# Altium PCB TC264MCUV02.PcbDoc (part 1 of 2)
Units mil, origin at the board's own origin, x right, y up, seen from the top; angles counter-clockwise.
Board outline 4656.68 x 3665.15 mil, 2 copper layers (Top Layer, Bottom Layer); 112 components, 118 nets, 482 pads, 140 vias.
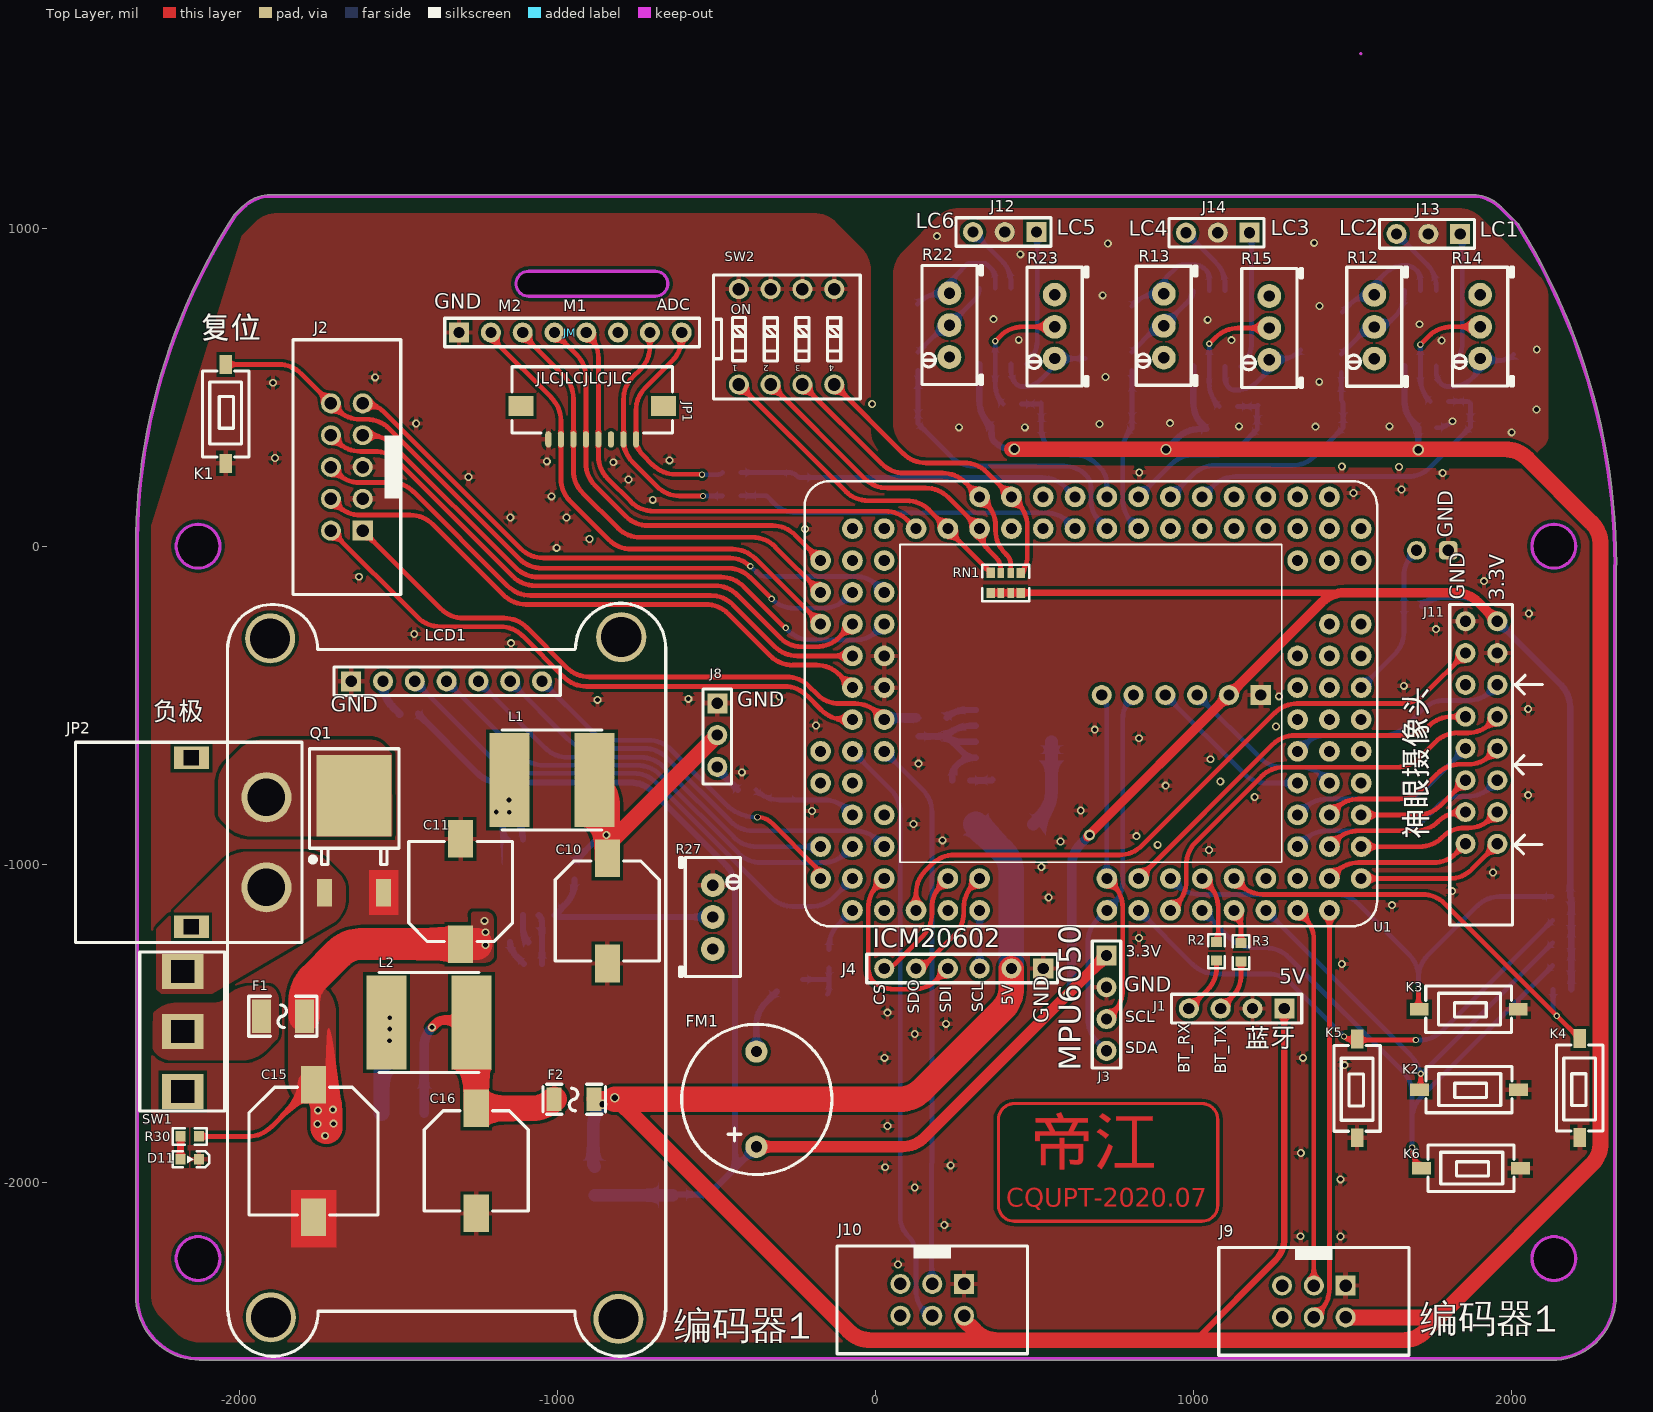
[diagram p0: Top Layer view]
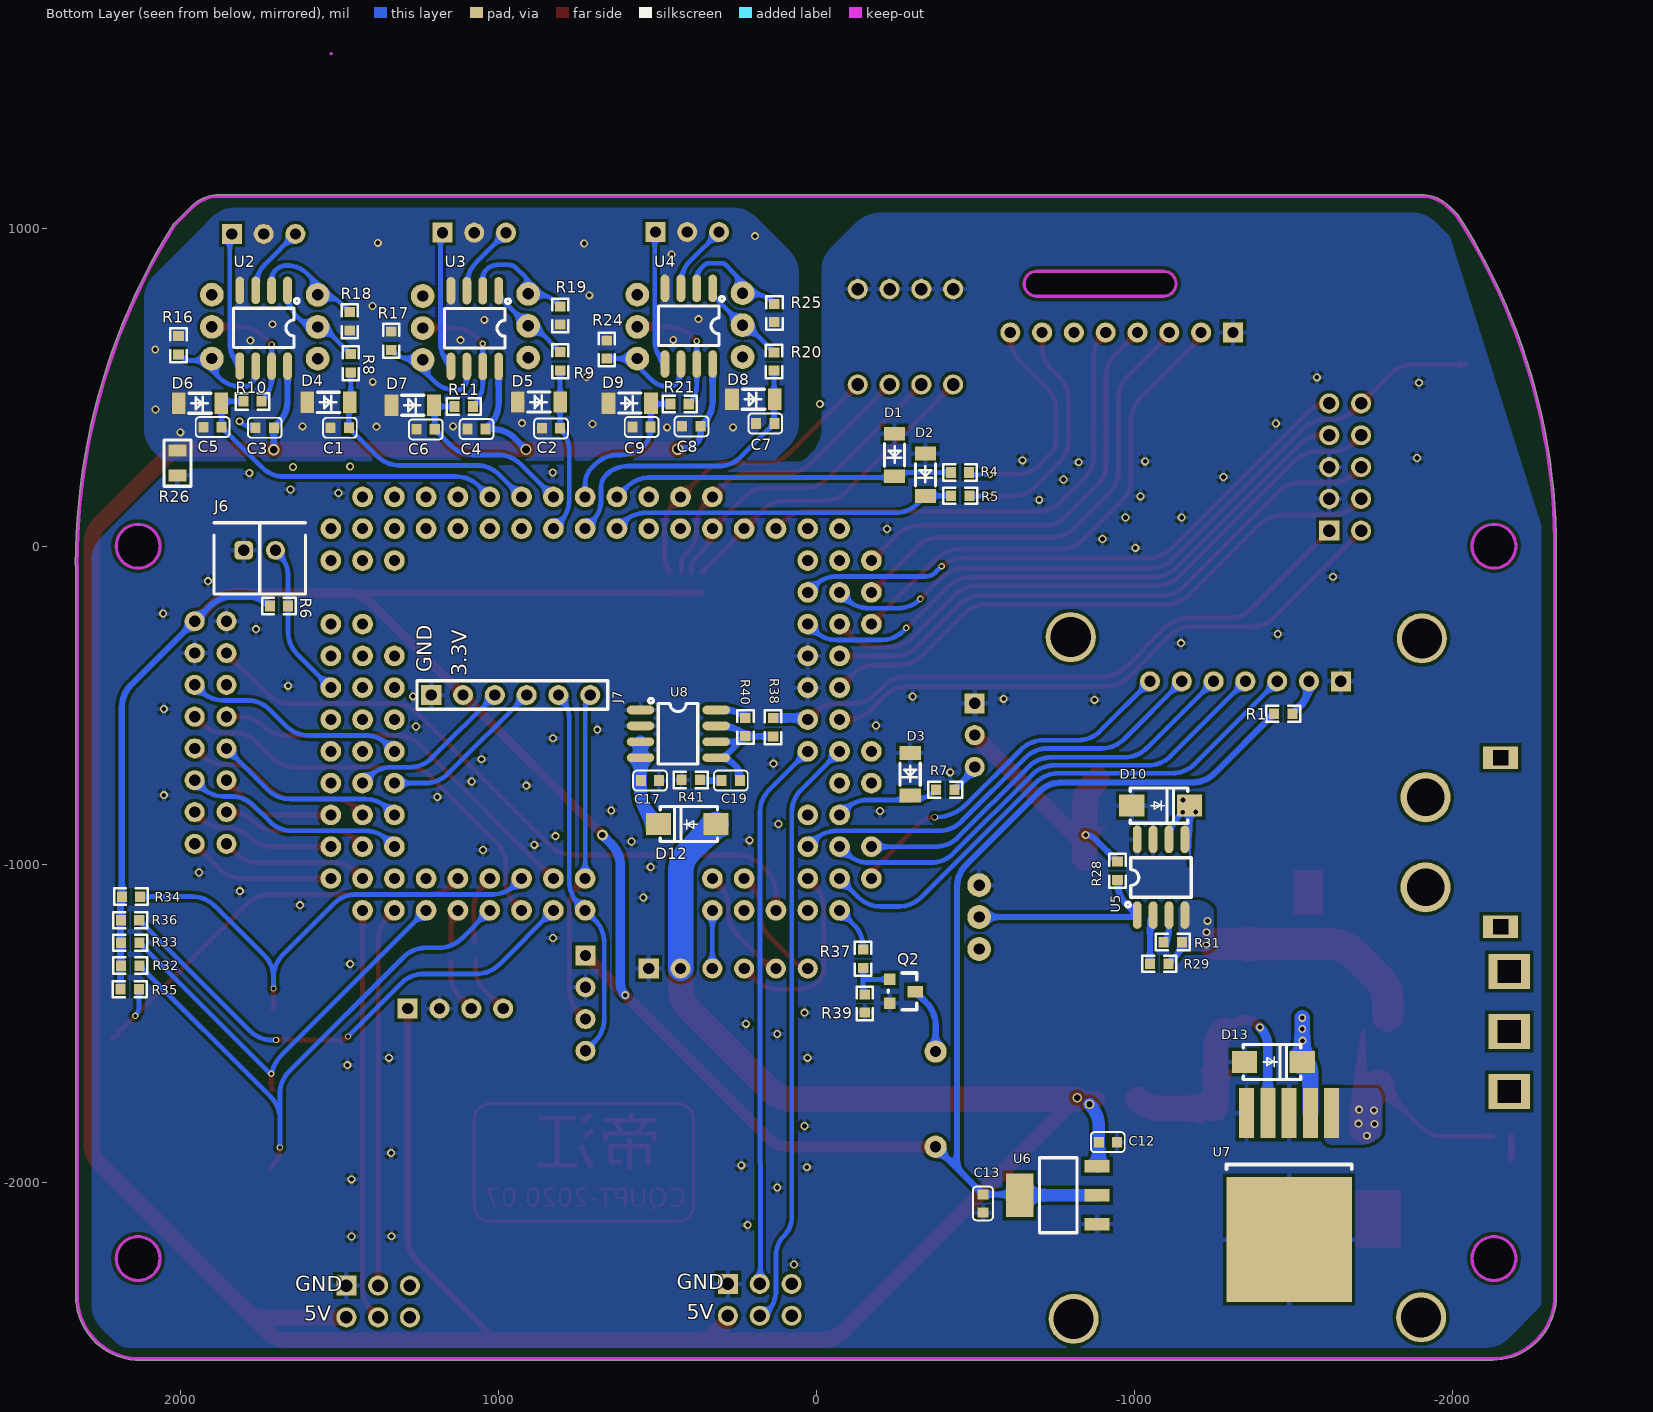
[diagram p1: Bottom Layer view, seen from below]
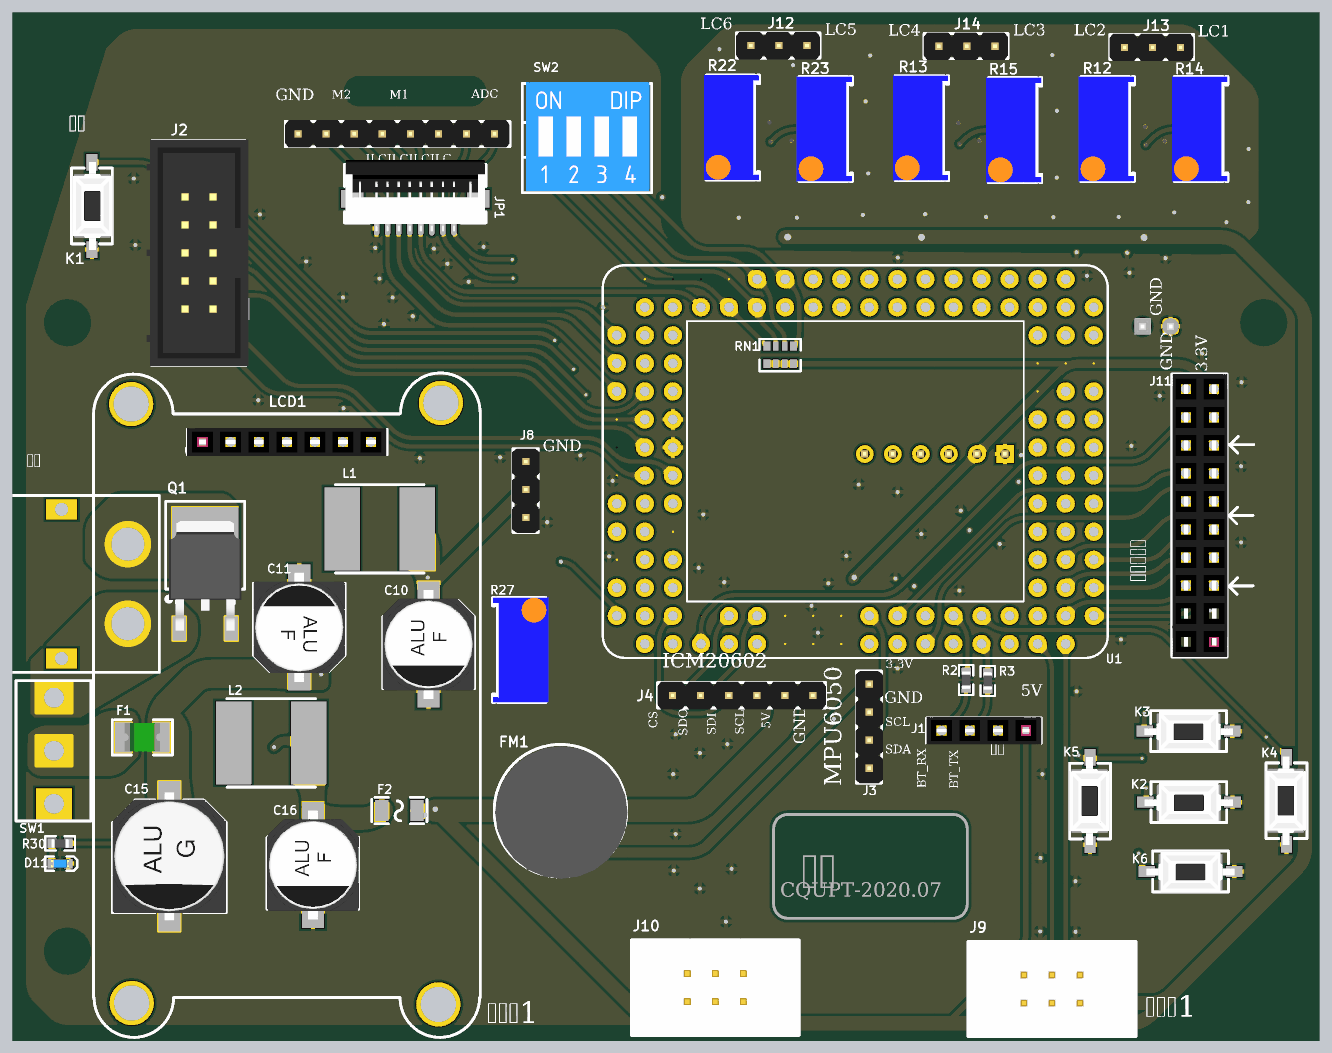
[diagram p3: 3D render of the assembled board from above, using the file's embedded part models]
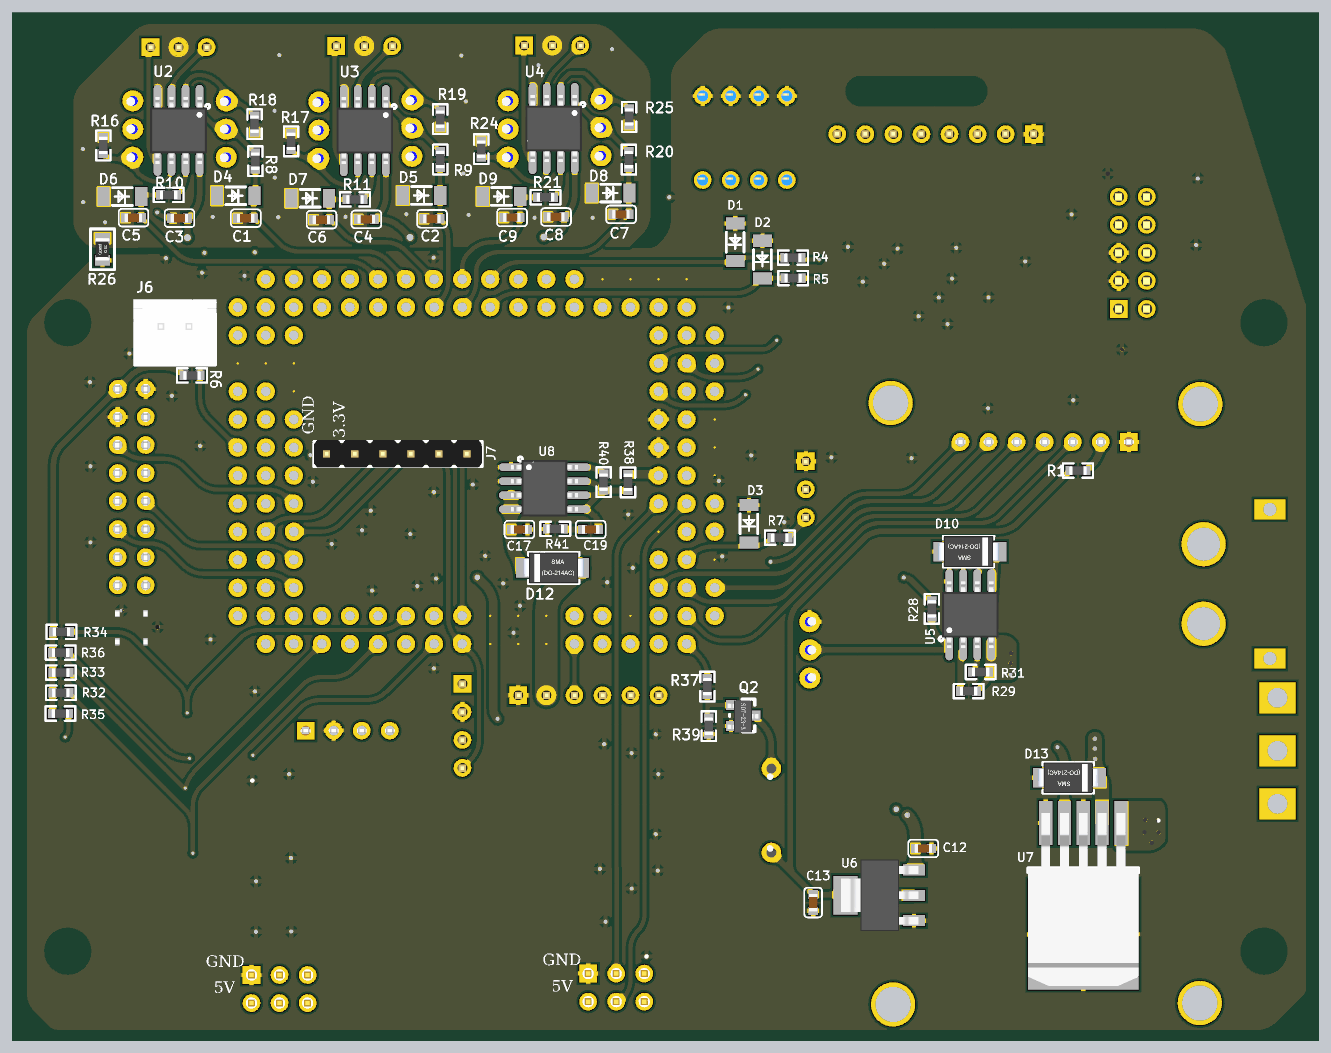
[diagram p4: 3D render of the assembled board from below, using the file's embedded part models]

## Layer stack, top to bottom
Top Solder: solder mask 0.4, Solder Resist, Dk 3.5
Top Layer: signal copper 1.4
Dielectric 1: dielectric 12.6, FR-4, Dk 4.8
Bottom Layer: signal copper 1.4
Bottom Solder: solder mask 0.4, Solder Resist, Dk 3.5

## Board outline
-2327.85,-2358 ccw(c-2125.98,-2358) -2127.62,-2559.86 ccw(c-2125.98,-2555.12) -2125.98,-2560.13 2126,-2560.13 ccw(c2126,-2358.27) 2327.87,-2358.27 ccw(c2322.85,-2358.27) 2327.85,-2357.87 2327.85,-61.98 ccw(c2323.82,-59) 2328.83,-59 ccw(c307.09,-59) 2021.63,1012.37 ccw(c2017.37,1009.71) 2020.9,1013.27 2020.92,1013.25 1965.98,1068.19 cw(c1962.44,1064.64) 1966,1068.17 1965.98,1068.19 ccw(c1877.08,979.29) 1877.08,1105.01 -1904.07,1105.01 ccw(c-1904.07,979.29) -1992.97,1068.19 ccw(c-1989.43,1064.64) -1992.99,1068.17 -1992.97,1068.19 -2017.33,1043.84 -2017.31,1043.85 ccw(c-2013.78,1040.29) -2017.99,1043.02 ccw(c-404,-4) -2327.85,-8.02
cut-out: 2062.99,-2240.16 ccw(c2131.89,-2240.16) 2131.89,-2309.06 ccw(c2131.89,-2240.16) 2200.79,-2240.16 ccw(c2131.89,-2240.16) 2131.89,-2171.26 ccw(c2131.89,-2240.16)
cut-out: -2200.79,-2240.16 ccw(c-2131.89,-2240.16) -2131.89,-2309.06 ccw(c-2131.89,-2240.16) -2062.99,-2240.16 ccw(c-2131.89,-2240.16) -2131.89,-2171.26 ccw(c-2131.89,-2240.16)
cut-out: -2200.79,0 ccw(c-2131.89,0) -2131.89,-68.9 ccw(c-2131.89,0) -2062.99,0 ccw(c-2131.89,0) -2131.89,68.9 ccw(c-2131.89,0)
cut-out: 2062.99,0 ccw(c2131.89,0) 2131.89,-68.9 ccw(c2131.89,0) 2200.79,0 ccw(c2131.89,0) 2131.89,68.9 ccw(c2131.89,0)
cut-out: -1092.43,786.02 -694.06,786.02 ccw(c-694.06,825.39) -694.06,864.76 -1092.43,864.76 ccw(c-1092.43,825.39)

## Design rules (kind name [scope] priority, off if disabled: settings)
Clearance [All] p1: gap=10
ComponentClearance [All] p1 off: gap=10 collisioncheckmode=3 verticalgap=10 showdistances=FALSE
Height [All] p1 off: minheight=0 maxheight=1000 prefheight=500
PolygonConnect [All vs InNet('GND')] p1: connectstyle=Relief reliefconductorwidth=15 reliefentries=4 polygonreliefangle="90 Angle" airgapwidth=10
RoutingVias [All] p1: holewidth=28 width=50 viastyle="Through Hole" minholewidth=28 minwidth=50 maxholewidth=28 maxwidth=50
SolderMaskExpansion [All] p1: expansion=4
Width [All] p1: maxlimit=500 minlimit=10 preferedwidth=20
28 further rules are at their usual default settings.

## Components (designator, comment, footprint, x,y, rotation, side; value= is the part's Value field where it differs from the comment)
C1 "22uf" CAP_0603 1497.74,372.4 r0 bottom
C2 "22uf" CAP_0603 833.74,370.4 r0 bottom
C3 "104" CAP_0603 1734,372.4 r0 bottom
C4 "104" CAP_0603 1068,368.4 r0 bottom
C5 "22uf" CAP_0603 1898,374.4 r0 bottom
C6 "22uf" CAP_0603 1227.74,367.4 r0 bottom
C7 "22uf" CAP_0603 160,386 r0 bottom
C8 "104" CAP_0603 392,377 r0 bottom
C9 "22uf" CAP_0603 548.74,375 r0 bottom
C10 "470uF/35V" CAPE_SMD_F_8.4 -845,-1147 r90 top
C11 "220uF/25V" CAPE_SMD_F_8.4 -1306,-1086 r270 top
C12 "106" CAP_0603 -918,-1874 r180 bottom
C13 "104" CAP_0603 -525,-2067.26 r270 bottom
C15 "470uF/35V" CAPE_SMD_G_10.6 -1769,-1902 r90 top
C16 "220uF/25V" CAPE_SMD_F_8.4 -1257,-1933 r90 top
C17 "104" CAP_0603 522.26,-737 r0 bottom
C19 "106" CAP_0603 268.26,-737 r0 bottom
D1 "ZMM3V3" LL-34_L3.5-W1.5-RD -247,286.93 r90 bottom
D2 "ZMM3V3" LL-34_L3.5-W1.5-RD -344,224.93 r90 bottom
D3 "ZMM3V3" LL-34_L3.5-W1.5-RD -296,-717.07 r90 bottom
D4 "ZMM3V3" LL-34_L3.5-W1.5-RD 1532.93,452.4 r0 bottom
D5 "ZMM3V3" LL-34_L3.5-W1.5-RD 870.93,453.4 r0 bottom
D6 "ZMM3V3" LL-34_L3.5-W1.5-RD 1937.07,449.4 r0 bottom
D7 "ZMM3V3" LL-34_L3.5-W1.5-RD 1268.07,443.4 r0 bottom
D8 "ZMM3V3" LL-34_L3.5-W1.5-RD 196.93,462 r0 bottom
D9 "ZMM3V3" LL-34_L3.5-W1.5-RD 586,450 r0 bottom
D10 "SS54/5A/40V" DO214_SMA -1174,-816 r0 bottom
D11 "LED" LED_0603_B -2158,-1928 r180 top
D12 "SS54/5A/40V" DO214_SMA 495,-874 r180 bottom
D13 "SS54/5A/40V" DO214_SMA -1529.1,-1622 r0 bottom
F1 "3A/16V" FUSE_1210 -1865,-1478 r0 top
F2 "JK-NSMD100-16V" F1206 -948.99,-1739 r0 top
FM1 "BUZZER" BUZZ-12*7.5 -376,-1739 r90 top
J1 "Header" "Header F 2.54X4" 1134,-1454 r180 top
J2 "Header" IDC_10P -1664,249 r90 top locked
J3 "Header" "Header 2.54X4" 725,-1437 r270 top
J4 "Header" "Header 2.54X6" 276,-1328 r180 top
J6 "Header" HX2.54-2 1800,-13 r180 bottom
J7 "Header" "Header 2.54X6" 960,-468 r180 bottom
J8 "Header" "Header 2.54X3" -499,-594 r270 top
J9 "Header 2.54_2X3" IDC_6P 1377,-2375 r180 top
J10 "Header 2.54_2X3" IDC_6P 177,-2370 r180 top
J11 "Header" "Header F 2.54_2x10" 1904,-686 r90 top locked
J12 "Header" "Header 2.54X3" 405,988 r180 top
J13 "Header" "Header 2.54X3" 1737,982 r180 top
J14 "Header" "Header 2.54X3" 1075,986 r180 top
JM "Header" "Header 2.54X8" -961,672 r0 top
JP1 "FPC_8pin" FPC_1.0_8P -892.43,388.76 r180 top
JP2 "XT60PW" XT60PW -1916.78,-931.25 r90 top
K1 "TS-Button_2P" SW_SMD_6.1*3.7 -2045,416 r270 top
K2 "TS-Button_2P" SW_SMD_6.1*3.7 1865,-1709 r180 top
K3 "TS-Button_2P" SW_SMD_6.1*3.7 1864,-1456 r180 top
K4 "TS-Button_2P" SW_SMD_6.1*3.7 2213,-1704 r90 top
K5 "TS-Button_2P" SW_SMD_6.1*3.7 1513,-1705 r90 top
K6 "TS-Button_2P" SW_SMD_6.1*3.7 1871,-1956 r180 top
L1 "33uH" IND-SMD_L8.0-W8.0 -1019,-735 r0 top
L2 "33uH" IND-SMD_L8.0-W8.0 -1405.86,-1498 r180 top
LCD1 "LCD" TFT_LCD -1350,-1366 r0 top locked
Q1 "IRLR7843TRPBF" TO-252-2 -1641,-937.6 r0 top
Q2 "S8050" SOT-23-3 -272,-1400 r270 bottom
R1 "100" RES_0603 -1469,-527 r180 bottom
R2 "1k" RES_0603 1071,-1273.74 r270 top
R3 "1k" RES_0603 1148,-1277 r270 top
R4 "2k" RES_0603 -453,232 r180 bottom
R5 "2k" RES_0603 -453.74,159 r180 bottom
R6 "4.7k" RES_0603 1689,-188 r180 bottom
R7 "2k" RES_0603 -406,-766 r180 bottom
R8 "100" RES_0603 1463,575.65 r90 bottom
R9 "100" RES_0603 804,581.65 r90 bottom
R10 "100" RES_0603 1772,455.4 r180 bottom
R11 "100" RES_0603 1108,439.4 r180 bottom
R12 "100k" RES_POT-3296W 1567,690 r90 top
R13 "100k" RES_POT-3296W 905,693.4 r90 top
R14 "100k" RES_POT-3296W 1900,690.4 r90 top
R15 "100k" RES_POT-3296W 1237,686.4 r90 top
R16 "240" RES_0603 2005,631.65 r270 bottom
R17 "240" RES_0603 1336,646.14 r270 bottom
R18 "240" RES_0603 1466,707.65 r270 bottom
R19 "240" RES_0603 804,725.65 r270 bottom
R20 "100" RES_0603 132,581 r90 bottom
R21 "100" RES_0603 429,447 r180 bottom
R22 "100k" RES_POT-3296W 231,695.4 r90 top
R23 "100k" RES_POT-3296W 562,690.4 r90 top
R24 "240" RES_0603 658,618.74 r270 bottom
R25 "240" RES_0603 131,733.26 r270 bottom
R26 "0Ω" RES_0805 2008,261.63 r270 bottom
R27 "2k" RES_POT-3296W -513,-1166.4 r270 top
R28 "1k" RES_0603 -948,-1020.26 r270 bottom
R29 "0Ω" RES_0603 -1079,-1313 r0 bottom
R30 "2k" RES_0603 -2158,-1856 r0 top
R31 "2.7k" RES_0603 -1122,-1245 r0 bottom
R32 "10k" RES_0603 2156.26,-1319 r0 bottom
R33 "10k" RES_0603 2156.74,-1247 r0 bottom
R34 "10k" RES_0603 2154.26,-1102 r0 bottom
R35 "10k" RES_0603 2158,-1393 r0 bottom
R36 "10k" RES_0603 2157,-1176 r0 bottom
R37 "1k" RES_0603 -148,-1297 r90 bottom
R38 "0Ω" RES_0603 135,-569.26 r90 bottom
R39 "10k" RES_0603 -153,-1438 r270 bottom
R40 "240K" RES_0603 222,-568.26 r270 bottom
R41 "1Ω" RES_0603 394.26,-735 r180 bottom
RN1 "10k" RES-ARRAY-SMD_0603-8P-L3.2-W1.6-BL 408,-115 r180 top
SW1 "PowerSwitch" SW-TH_K3-1260D-K1 -2180,-1525.98 r180 top
SW2 "拨码开关4P" VDG/S-04HG-R -281.24,658.49 r0 top
U1 "TC264CoreBoard" LQ-TC264-SYSVC-S 1426,155 r180 top locked
U2 "LMV358IDR" SOIC-8_150MIL 1737,685.4 r270 bottom
U3 "LMV358IDR" SOIC-8_150MIL 1073,684.4 r270 bottom
U4 "LMV358IDR" SOIC-8_150MIL 400,692 r270 bottom
U5 "AS1015KBT" SOIC-8_150MIL -1085,-1041 r90 bottom
U6 "AMS1117-3.3" SOT-223_3 -762,-2041 r180 bottom
U7 "LM2596S-5.0/TR_C340931" TO-263_5 -1487.93,-2117.65 r270 bottom
U8 "TPS7333QDR" SOIC-8_150MIL 433,-590 r180 bottom

## Footprints (in the part's own frame and the unit in brackets; to place one, negate y for a bottom-side part, rotate by r counter-clockwise, add the part's x,y. Pads: shape width x height; smd on the part's side, far side on the other; paste and mask are expansions set on the pad)
BUZZ-12*7.5 [mil] "外径12mm，脚距7.5mm"
  round 70 hole 35.4: 1(-149.6,0) 2(149.6,0)
  silkscreen extent -237,-237 236,235, body extent -243,-241 229,232, height 339
CAP_0603 [mm]
  rect 0.8x0.85 smd: 1(-0.73,0) 2(0.73,0)
  silkscreen extent -1.36,-0.8 1.34,0.8, body extent -0.8,-0.4 0.8,0.4, height 0.6
CAPE_SMD_F_8.4 [mm] "8X8.3X10.2"
  rect 3x2 smd: 1(4.2,0) 2(-4.2,0)
  silkscreen extent -4,-4.15 4,4.15, body extent -4.95,-4.15 4.95,4.15, height 10.2
CAPE_SMD_G_10.6 [mm] "10X10.3X10.2"
  rect 3x2 smd: 1(5.3,0) 2(-5.3,0)
  silkscreen extent -5.1,-5.15 5.1,5.15, body extent -5.8,-5.15 5.8,5.15, height 10.2
DO214_SMA [mm] "贴片二极管"
  rect 2x1.75 smd: 1(4.6,0) 2(0,0)
  silkscreen extent 0.11,-1.4 4.71,1.4, body extent -0.34,-1.4 5.16,1.4, height 2.6
F1206 [mm]
  rect 1.2x1.9 smd: 1(-1.6,0) 2(1.6,0)
  silkscreen extent -2.5,-1.2 2.5,1.2
FPC_1.0_8P [mm]
  oval 0.5x1.3 smd: 1(-3.5,1.34) 2(-2.5,1.34) 3(-1.5,1.34) 4(-0.5,1.34) 5(0.5,1.34) 6(1.5,1.34) 7(2.5,1.34) 8(3.5,1.34)
  rect 2x1.6 smd: 9(-5.7,-1.34) 10(5.7,-1.34)
  silkscreen extent -6.4,-4.46 6.4,0.84, body extent -6.3,-4.86 6.3,1.64, height 2.2
FUSE_1210 [mm]
  rect 1.52x2.7 smd: 1(-1.71,0) 2(1.71,0)
  silkscreen extent -2.73,-1.6 2.73,1.6, body extent -1.61,-1.28 1.61,1.3, height 0.67
"Header 2.54X3" [mm]
  rect 1.6x1.6 hole 0.9: 1(-2.54,0)
  round 1.6 hole 0.9: 2(0,0) 3(2.54,0)
  silkscreen extent -3.68,-1.14 3.9,1.14, body extent -3.68,-1.23 3.94,1.27, height 8.3
"Header 2.54X4" [mm]
  rect 1.6x1.6 hole 0.9: 1(-3.81,0)
  round 1.6 hole 0.9: 2(-1.27,0) 3(1.27,0) 4(3.81,0)
  silkscreen extent -4.95,-1.14 5.19,1.14, body extent -4.95,-1.23 5.21,1.27, height 8.3
"Header 2.54X6" [mm]
  rect 1.6x1.6 hole 0.9: 1(-6.35,0)
  round 1.6 hole 0.9: 2(-3.81,0) 3(-1.27,0) 4(1.27,0) 5(3.81,0) 6(6.35,0)
  silkscreen extent -7.49,-1.14 7.75,1.14, body extent -7.49,-1.23 7.75,1.27, height 8.3
"Header 2.54X8" [mm]
  rect 1.6x1.6 hole 0.9: 1(-8.89,0)
  round 1.6 hole 0.9: 2(-6.35,0) 3(-3.81,0) 4(-1.27,0) 5(1.27,0) 6(3.81,0) 7(6.35,0) 8(8.89,0)
  silkscreen extent -10.03,-1.14 10.31,1.14, body extent -10.03,-1.23 10.29,1.27, height 8.3
"Header F 2.54_2x10" [mm]
  rect 0x0 all layers, no hole: 1(-11.43,-1.27)
  round 0 all layers, no hole: 2(-8.89,-1.27) 19(-8.89,1.27) 20(-11.43,1.27)
  round 1.6 hole 0.9: 3(-6.35,-1.27) 4(-3.81,-1.27) 5(-1.27,-1.27) 6(1.27,-1.27) 7(3.81,-1.27) 8(6.35,-1.27) 9(8.89,-1.27) 10(11.43,-1.27) 11(11.43,1.27) 12(8.89,1.27) 13(6.35,1.27) 14(3.81,1.27) 15(1.27,1.27) 16(-1.27,1.27) 17(-3.81,1.27) 18(-6.35,1.27)
  silkscreen extent -12.83,-2.47 12.77,2.53, body extent -12.85,-2.52 12.8,2.48, height 8.6
"Header F 2.54X4" [mm]
  rect 1.6x1.6 hole 0.9: 1(-3.81,0)
  round 1.6 hole 0.9: 2(-1.27,0) 3(1.27,0) 4(3.81,0)
  silkscreen extent -5.2,-1.14 5.19,1.14, body extent -5.21,-1.25 5.21,1.25, height 8.6
HX2.54-2 [mm] "两针白色插座（已加焊）"
  rrect50% 1.5x1.5 hole 0.9: 1(0,0)
  round 1.5 hole 0.9: 2(2.54,0)
  silkscreen extent -2.36,-3.5 4.94,2.2, body extent -2.48,-3.55 5.02,2.45, height 7
IDC_6P [mm]
  rect 1.6x1.6 hole 1: 1(-2.54,-1.27)
  round 1.6 hole 1: 2(0,-1.27) 3(2.54,-1.27) 4(2.54,1.27) 5(0,1.27) 6(-2.54,1.27)
  silkscreen extent -7.6,-4.3 7.6,4.3, body extent -7.62,-4.45 7.62,4.45, height 8.93
IDC_10P [mm]
  rect 1.6x1.6 hole 1: 1(-5.08,-1.27)
  round 1.6 hole 1: 2(-2.54,-1.27) 3(0,-1.27) 4(2.54,-1.27) 5(5.08,-1.27) 6(5.08,1.27) 7(2.54,1.27) 8(0,1.27) 9(-2.54,1.27) 10(-5.08,1.27)
  silkscreen extent -10.17,-4.3 10.16,4.3, body extent -10.26,-4.58 10.24,4.72, height 9.1
IND-SMD_L8.0-W8.0 [mm]
  rect 3.2x7.5 smd: 1(-3.4,0) 2(3.4,0)
  silkscreen extent -4,-4 4,4
LED_0603_B [mm]
  rect 0.8x0.85 smd: A(0.73,0) C(-0.73,0)
  silkscreen extent -1.55,-0.65 1.35,0.65, body extent -0.81,-0.4 0.81,0.4, height 0.6
LL-34_L3.5-W1.5-RD [mm]
  rect 1.1x1.7 smd: 1(-1.7,0) 2(1.7,0)
  silkscreen extent -0.9,-0.8 0.9,0.8
LQ-TC264-SYSVC-S [mm] "单片机核心板封装库"
  round 1.65 hole 0.88: 1(5.08,0) 2(5.08,2.54) 3(7.62,0) 4(7.62,2.54) 5(10.16,0) 6(10.16,2.54) 7(12.7,0) 8(12.7,2.54) 9(15.24,0) 10(15.24,2.54) 11(17.78,0) 12(17.78,2.54) 13(20.32,0) 14(20.32,2.54) 15(22.86,0) 16(22.86,2.54) 17(25.4,0) 18(25.4,2.54) 19(27.94,0) 20(27.94,2.54) 22(30.48,2.54) 24(33.02,2.54) 26(35.56,2.54) 28(38.1,2.54) 30(38.1,5.08) 31(35.56,5.08) 33(38.1,7.62) 34(35.56,7.62) 36(38.1,10.16) 37(35.56,10.16) 39(38.1,12.7) 40(35.56,12.7) 42(38.1,15.24) 43(35.56,15.24) 45(38.1,17.78) 46(35.56,17.78) 48(38.1,20.32) 49(35.56,20.32) 51(38.1,22.86) 54(38.1,25.4) 55(35.56,25.4) 57(38.1,27.94) 58(35.56,27.94) 60(38.1,30.48) 61(35.56,30.48) 62(38.1,33.02) 63(35.56,33.02) 64(33.02,33.02) 66(30.48,33.02) 67(30.48,30.48) 68(27.94,33.02) 69(27.94,30.48) 76(17.78,33.02) 77(17.78,30.48) 78(15.24,33.02) 79(15.24,30.48) 80(12.7,33.02) 81(12.7,30.48) 82(10.16,33.02) 83(10.16,30.48) 84(7.62,33.02) 85(7.62,30.48) 86(5.08,33.02) 87(5.08,30.48) 88(2.54,33.02) 89(0,33.02) 90(2.54,30.48) 91(0,30.48) 93(2.54,27.94) 94(0,27.94) 96(2.54,25.4) 97(0,25.4) 99(2.54,22.86) 100(0,22.86) 102(2.54,20.32) 103(0,20.32) 105(2.54,17.78) 106(0,17.78) 108(2.54,15.24) 109(0,15.24) 111(2.54,12.7) 112(0,12.7) 115(0,10.16) 120(2.54,5.08) 121(0,5.08) 123(2.54,2.54) 124(0,2.54) 126(2.54,0) 127(0,0)
  round 0 all layers, no hole: 21(30.48,0) 23(33.02,0) 25(35.56,0) 27(38.1,0) 52(35.56,22.86) 65(33.02,30.48) 70(25.4,33.02) 71(25.4,30.48) 72(22.86,33.02) 73(22.86,30.48) 74(20.32,33.02) 75(20.32,30.48) 114(2.54,10.16) 117(2.54,7.62) 118(0,7.62)
  round 1.65 hole 0.88 mask+0.102: 29(40.64,5.08) 32(40.64,7.62) 35(40.64,10.16) 47(40.64,20.32) 50(40.64,22.86) 56(40.64,27.94) 59(40.64,30.48) 92(-2.54,30.48) 95(-2.54,27.94) 98(-2.54,25.4) 101(-2.54,22.86) 104(-2.54,20.32) 107(-2.54,17.78) 110(-2.54,15.24) 113(-2.54,12.7) 116(-2.54,10.16) 122(-2.54,5.08) 125(-2.54,2.54)
  round 0 all layers, no hole mask+0.102: 38(40.64,12.7) 41(40.64,15.24) 44(40.64,17.78) 53(40.64,25.4) 119(-2.54,7.62)
  silkscreen extent -3.81,-1.27 41.91,34.29
RES-ARRAY-SMD_0603-8P-L3.2-W1.6-BL [mm]
  rect 0.65x0.8 smd: 1(-1.2,-0.8) 4(1.2,-0.8) 5(1.2,0.8) 8(-1.2,0.8)
  rect 0.5x0.8 smd: 2(-0.4,-0.8) 3(0.4,-0.8) 6(0.4,0.8) 7(-0.4,0.8)
  silkscreen extent -1.87,-1.45 1.87,1.47
RES_0603 [mm]
  rect 0.8x0.85 smd: 1(-0.73,0) 2(0.73,0)
  silkscreen extent -1.35,-0.65 1.35,0.65, body extent -0.8,-0.4 0.8,0.4, height 0.38
RES_0805 [mm]
  rect 0.95x1.4 smd: 1(-1,0) 2(1,0)
  silkscreen extent -1.85,-1.08 1.85,1.08, body extent -1,-0.62 1,0.63, height 0.45
RES_POT-3296W [mm] "RES-ADJ-TH_3P-L9.5-W4.9-P2.50-L_3296W"
  round 1.9 hole 0.9: 1(-2.55,0) 2(-0.01,0) 3(2.55,0)
  silkscreen extent -4.75,-2.64 4.75,2.2, body extent -4.75,-2.59 4.75,2.41, height 11.5
SOIC-8_150MIL [mm]
  oval 2.2x0.7 smd: 1(-3.023,1.905) 2(-3.023,0.635) 3(-3.023,-0.635) 4(-3.023,-1.905) 5(3.023,-1.905) 6(3.023,-0.635) 7(3.023,0.635) 8(3.023,1.905)
  silkscreen extent -2.37,-2.41 1.55,2.83, body extent -3.03,-2.57 3.03,2.56, height 1.95
SOT-23-3 [mil]
  rect 36x36 smd: 1(-37.5,-40) 2(37.5,-40)
  rect 36x50 smd: 3(0.5,40)
  silkscreen extent -58,-45 58,45, body extent -54,-52 60,58
SOT-223_3 [mm]
  rect 2x1 smd: 1(3.1,-2.3) 2(3.1,0) 3(3.1,2.3)
  rect 2.2x3.5 smd: 4(-3.1,0)
  silkscreen extent -1.5,-3 1.5,3, body extent -3.5,-3.25 3.5,3.25, height 1.64
SW-TH_K3-1260D-K1 [mm]
  rect 3.3x2.8 hole 1.8 square: 1(0,4.8) 2(0,0) 3(0,-4.8)
  silkscreen extent -3.35,-6.35 3.44,6.35
SW_SMD_6.1*3.7 [mm] "SW-SMD_L6.1-W3.7-LS7.9"
  rect 1.5x1 smd: A(-3.95,0) B(3.95,0)
  silkscreen extent -3.43,-1.85 3.43,1.85, body extent -4,-1.8 4,1.9, height 2.6
TFT_LCD [mm]
  round 4 hole 3.2: 0(-14.097,27.33) 0(-14.046,-26.899) 0(13.716,-27.026) 0(13.945,27.432)
  rect 1.6x1.6 hole 0.9: 1(-7.626,23.901)
  round 1.6 hole 0.9: 2(-5.086,23.901) 3(-2.546,23.901) 4(-0.006,23.901) 5(2.534,23.901) 6(5.074,23.901) 7(7.614,23.901)
  silkscreen extent -17.5,-30 17.5,30.14, body extent -9.02,22.64 9.01,25.14, height 8.6
TO-252-2 [mil]
  rect 47.24x86.62 smd: 1(-93,-152.6) 3(93,-152.4)
  rect 236.22x255.9 smd: 4(0,152.6)
  silkscreen extent -141,-63 141,301, body extent -129,-160 129,231, height 94
TO-263_5 [mm]
  rect 4x1.2 smd: 1(-8.5,3.4) 2(-8.5,1.7) 3(-8.5,0) 4(-8.5,-1.7) 5(-8.5,-3.4)
  rect 10x10 smd: 6(1.6,0)
  silkscreen extent -4.41,-5 -4.03,5, body extent -9.4,-5 6.27,5, height 4.78
VDG/S-04HG-R [mm]
  round 1.6 hole 1: 1(-3.81,-3.81) 2(-1.27,-3.81) 3(1.27,-3.81) 4(3.81,-3.81) 5(3.81,3.81) 6(1.27,3.81) 7(-1.27,3.81) 8(-3.81,3.81)
  silkscreen extent -5.84,-4.96 5.89,4.95, body extent -5.48,-4.82 5.68,5.08, height 7
XT60PW [mm]
  round 4 hole 3: 1(-3.6,0) 2(3.6,0)
  rect 1.8x2.8 hole 1.2 square: H(-6.75,6) H(6.75,6)
  silkscreen extent -8,-2.84 8,15.26

## Part data
C1 C2 C3 C4 C5 C6 C7 C8 C9 C12 C13 C17 C19: library part CAP_0603
C10 C11 C15 C16: library part CAP_E_SMD, "贴片电解电容"
D10 D12 D13: library part SS54
D11: library part LED_0603, "发光LED"
F1: library part JK-NSMD100-16V
FM1: "蜂鸣器"
J1 J3: library part "Header 2.54_4"
J2: library part "Header 2.54_2X5"
J4 J7: library part "Header 2.54_6"
J6: library part "Header 2.54_2"
J8 J12 J13 J14: library part "Header 2.54_3"
J11: library part "Header 2.54_2X10"
JM: library part "Header 2.54_8"
K1 K2 K3 K4 K5 K6: "贴片按键 3*6*2.5"
L1 L2: library part Inductor
LCD1: library part TFT-LCD
Q1: "MOS管"
Q2: "三极管NPN"
R1 R2 R3 R4 R5 R6 R7 R8 R9 R10 R11 R16 R17 R18 R19 R20 R21 R24 R25 R26 R28 R29 R30 R31 R32 R33 R34 R35 R36 R37 R38 R39 R40 R41: library part RES_0603
R12 R13 R14 R15 R22 R23 R27: library part RES_POT-3296W, "可调电阻3296W"
RN1: library part RESW4
SW2: "DIP_4PX2*2.54"

## Via types
v1: diameter 25, hole 15, Top Layer to Bottom Layer, tented both sides, 119 vias
v2: diameter 20, hole 12, Top Layer to Bottom Layer, tented both sides, 14 vias
v3: diameter 35, hole 25, Top Layer to Bottom Layer, tented both sides, 3 vias
v4: diameter 30, hole 20, Top Layer to Bottom Layer, tented both sides, 2 vias
v5: diameter 35, hole 20, Top Layer to Bottom Layer, tented both sides, 1 vias
v6: diameter 20, hole 15, Top Layer to Bottom Layer, tented both sides, 1 vias

## Nets (pads, with @x,y where several pads share a name; then routed paths per layer and width w, separated by ;. In a path a pad name is that pad's centre, name@x,y a point inside that pad or via, vN(x,y) a via of type N, cw(c..) or ccw(c..) an arc to the next point about the centre after c; other vN are vias at no path point)
7.2V: C11.1 C15.1 F1.2 R29.1 R30.2 R31.1 U5.4 U7.1 | length 1336.4
  Top Layer w15: R30.2@-2129.26,-1856 -1973.08,-1856 ccw(c-1973.08,-1756) -1902.37,-1826.71 C15.1@-1769,-1693.34
  Top Layer w100: F1.2@-1797.68,-1478 -1797.68,-1429.1 cw(c-1697.68,-1429.1) -1768.39,-1358.39 -1690.64,-1280.64 cw(c-1619.93,-1351.35) -1619.93,-1251.35 C11.1@-1306,-1251.35 -1255.35,-1251.35 ; C15.1@-1769,-1693.34 -1757.29,-1705.05 cw(c-1828,-1775.76) -1728,-1775.76 -1728,-1830
  Bottom Layer w20: R31.1@-1150.74,-1245 ccw(c-1090.38,-1245) -1133.06,-1287.68 R29.1@-1107.74,-1313
  other v1: -1732,-1854 -1756,-1817 -1706,-1816 -1755,-1774 -1708,-1772 -1228,-1254 -1228,-1214 -1231,-1178
ADC_MOTOR1: D1.1 R4.1 U1.13 | length 1075.5
  Bottom Layer w15: R4.1@-424.26,232 -275.97,232 cw(c-275.97,191.03) D1.1@-247,220 ccw(c-237.34,229.66) -237.34,216 523.58,216 cw(c523.58,116) 594.29,186.71 U1.13@626,155
ADC_MOTOR1_IN: JM.8 JP1.1 R4.2 | length 716.4
  Top Layer w15: JM.8@-611,672 -611,654.42 cw(c-711,654.42) -640.29,583.71 -725.34,498.66 ccw(c-654.63,427.95) -754.63,427.95 JP1.1@-754.63,336 ccw(c-688.55,336) -735.28,289.28 -701.29,255.29 ccw(c-630.58,326) -630.58,226 -549.41,226 cw(c-549.41,222.59) v2(-547,225)
  Bottom Layer w15: v2(-547,225) -498.64,225 ccw(c-498.64,248.9) R4.2@-481.74,232
ADC_MOTOR2: D2.1 R5.1 U1.14 | length 1085.3
  Bottom Layer w15: R5.1@-425,159 -346.41,159 cw(c-346.41,155.59) D2.1@-344,158 -320.31,134.31 ccw(c-249.6,205.02) -249.6,105.02 534.56,105.02 cw(c534.56,5.02) 605.27,75.73 U1.14@626,55
ADC_MOTOR2_IN: JM.7 JP1.2 R5.2 | length 763.9
  Top Layer w15: JM.7@-711,672 -711,627.42 cw(c-811,627.42) -740.29,556.71 -764.71,532.29 ccw(c-694,461.58) -794,461.58 JP1.2@-794,336 -794,334.42 ccw(c-694,334.42) -764.71,263.71 -688.29,187.29 ccw(c-617.58,258) -617.58,158 v2(-544,158)
  Bottom Layer w15: v2(-544,158) -484.89,158 ccw(c-484.89,161.41) R5.2@-482.48,159
ADC_OUT1: C5.1 D6.1 R10.1 U1.5 | length 1071.8
  Bottom Layer w15: U1.5@1026,155 1060.71,189.71 cw(c1131.42,119) 1131.42,219 1672.44,219 ccw(c1672.44,319) 1743.15,248.29 C5.1@1869.26,374.39 1869.26,447.27 cw(c1872.26,447.27) D6.1@1870.14,449.4 ccw(c1855.65,434.91) 1855.65,455.4 R10.1@1800.74,455.4
ADC_OUT2: C1.1 D4.1 R8.1 U1.7 | length 800.6
  Bottom Layer w15: U1.7@926,155 995.71,224.71 cw(c1066.42,154) 1066.42,254 1309.18,254 ccw(c1309.18,354) 1379.89,283.29 C1.1@1469,372.4 1469,445.15 ccw(c1448.51,445.15) 1463,459.64 R8.1@1463,546.91
ADC_OUT3: C6.1 D7.1 R11.1 U1.9 | length 594.4
  Bottom Layer w15: U1.9@826,155 928.71,257.71 cw(c999.42,187) 999.42,287 1077.18,287 ccw(c1077.18,387) 1147.89,316.29 C6.1@1199,367.4 1199,438.23 cw(c1206.3,438.23) D7.1@1201.14,443.4 cw(c1191.48,453.05) 1191.48,439.4 R11.1@1136.74,439.4
ADC_OUT4: C2.1 D5.1 R9.1 U1.10 | length 522.3
  Bottom Layer w15: R9.1@804,552.91 cw(c801.59,550.5) 805,550.5 C2.1@805,370.4 ccw(c875.01,300.38) 776,300.38 776,146.42 ccw(c876,146.42) 805.29,75.71 U1.10@826,55
ADC_OUT5: C9.1 D9.1 R21.1 U1.11 | length 483.6
  Bottom Layer w15: R21.1@457.74,447 511.83,447 ccw(c511.83,457.24) D9.1@519.07,450 cw(c516.82,447.75) 520,447.75 C9.1@520,375 520,366.29 ccw(c590.71,366.29) 540.71,316.29 ccw(c611.42,387) 611.42,287 623.58,287 cw(c623.58,187) 694.29,257.71 705,247 cw(c654.3,196.3) 726,196.3 U1.11@726,155
ADC_OUT6: C7.1 D8.1 R20.1 U1.12 | length 943.6
  Bottom Layer w15: R20.1@132,552.26 132,387.79 cw(c129.47,387.79) C7.1@131.26,386 235.97,281.29 ccw(c306.68,352) 306.68,252 592.4,252 cw(c592.4,156.4) 660,224 cw(c621.37,185.37) 676,185.37 676,146.42 ccw(c776,146.42) 705.29,75.71 U1.12@726,55
AGND: C1.2 C2.2 C3.2 C4.2 C5.2 C6.2 C7.2 C8.2 C9.2 D4.2 D5.2 D6.2 D7.2 D8.2 D9.2 J12.2 J13.2 J14.2 R16.1 R17.1 R18.2 R19.2 R24.1 R25.2 R26.1 U2.4 U3.4 U4.4 | length 55.8
  Bottom Layer w15: C3.2@1762.74,372.39 1763.25,372.39 ccw(c1763.25,442.75) v1(1813,393)
  other v1: 1999,358 261,374 468,374 1382,376 1142,377 1615,377 703,384 925,387 2077,430 1394,517 722,532 2078,619 1779,647 1118,648 449,649 1709,698 1043,712 370,714 1395,755 713,789 454,918 729,952 1378,954 192,975
AN21: U1.2
BT_RX: R2.1 U1.83 | length 217.7
  Top Layer w15: U1.83@1026,-1045 1046.71,-1065.71 cw(c976,-1136.42) 1076,-1136.42 1076,-1232.93 cw(c1058.93,-1232.93) R2.1@1071,-1245
BT_TX: R3.1 U1.84 | length 109.1
  Top Layer w15: U1.84@1126,-1145 cw(c1072.89,-1198.11) 1148,-1198.11 R3.1@1148,-1248.26
BUZZ: R37.2 U1.62 | length 149.6
  Bottom Layer w15: R37.2@-148,-1268.26 -148,-1260.42 cw(c-48,-1260.42) -118.71,-1189.71 U1.62@-74,-1145
CSI_DAT2: J11.3 U1.92 | length 468.8
  Top Layer w15: U1.92@1526,-1045 1803.58,-1045 ccw(c1803.58,-945) 1874.29,-1015.71 J11.3@1954,-936
CSI_DAT3: J11.18 U1.91 | length 464.5
  Top Layer w15: U1.91@1426,-1045 1446.69,-1024.31 cw(c1517.4,-1095.02) 1517.4,-995.02 1753.56,-995.02 ccw(c1753.56,-895.02) 1824.27,-965.73 J11.18@1854,-936
CSI_DAT4: J11.4 U1.95 | length 460.2
  Top Layer w15: U1.95@1526,-945 1709.58,-945 ccw(c1709.58,-845) 1780.29,-915.71 1780.71,-915.29 cw(c1851.42,-986) 1851.42,-886 1862.58,-886 ccw(c1862.58,-786) 1933.29,-856.71 J11.4@1954,-836
CSI_DAT5: J11.17 U1.94 | length 460.2
  Top Layer w15: U1.94@1426,-945 1446.73,-924.27 cw(c1517.44,-994.98) 1517.44,-894.98 1697.6,-894.98 ccw(c1697.6,-794.98) 1768.31,-865.69 1768.71,-865.29 cw(c1839.42,-936) 1839.42,-836 J11.17@1854,-836
CSI_DAT6: J11.5 U1.93 | length 697.4
  Bottom Layer w15: U1.93@1326,-945 1346.73,-924.27 cw(c1417.44,-994.98) 1417.44,-894.98 1647.6,-894.98 ccw(c1647.6,-794.98) 1718.31,-865.69 1767.71,-816.29 cw(c1838.42,-887) 1838.42,-787 1861.58,-787 ccw(c1861.58,-687) 1932.29,-757.71 J11.5@1954,-736
CSI_DAT7: J11.16 U1.98 | length 368.8
  Top Layer w15: U1.98@1526,-845 1703.58,-845 ccw(c1703.58,-745) 1774.29,-815.71 J11.16@1854,-736
CSI_DAT8: J11.6 U1.97 | length 597.4
  Top Layer w15: U1.97@1426,-845 1446.71,-824.29 cw(c1517.42,-895) 1517.42,-795 1644.58,-795 ccw(c1644.58,-695) 1715.29,-765.71 1765.71,-715.29 cw(c1836.42,-786) 1836.42,-686 1862.58,-686 ccw(c1862.58,-586) 1933.29,-656.71 J11.6@1954,-636
CSI_DAT9: J11.15 U1.96 | length 606
  Bottom Layer w15: U1.96@1326,-845 1346.69,-824.31 cw(c1417.4,-895.02) 1417.4,-795.02 1653.56,-795.02 ccw(c1653.56,-695.02) 1724.27,-765.73 J11.15@1854,-636
CSI_PIX: J11.8 U1.102 | length 697.4
  Bottom Layer w15: U1.102@1326,-645 1346.73,-624.27 cw(c1417.44,-694.98) 1417.44,-594.98 1595.6,-594.98 ccw(c1595.6,-494.98) 1666.31,-565.69 1717.71,-514.29 cw(c1788.43,-585) 1788.43,-485 1863.58,-485 ccw(c1863.58,-385) 1934.29,-455.71 J11.8@1954,-436
CSI_VSYNC: J11.12 U1.64 | length 2097.2
  Top Layer w15: U1.64@126,-1145 126,-1091.42 cw(c226,-1091.42) 155.29,-1020.71 175.71,-1000.29 cw(c246.42,-1071) 246.42,-971 765.58,-971 ccw(c765.58,-871) 836.29,-941.71 1253.69,-524.31 cw(c1324.4,-595.02) 1324.4,-495.02 1653.56,-495.02 ccw(c1653.56,-395.02) 1724.27,-465.73 J11.12@1854,-336
DC_POWERIN: JP2.1 Q1.1 SW1.3
ENCODE1_DIR: J9.5 U1.89 | length 1296
  Top Layer w15: J9.5@1377,-2425 1396.71,-2405.29 ccw(c1326,-2334.58) 1426,-2334.58 U1.89@1426,-1145
ENCODE1_LSB: J9.2 U1.88 | length 1196.8
  Top Layer w15: U1.88@1326,-1145 1347.71,-1166.71 cw(c1277,-1237.42) 1377,-1237.42 J9.2@1377,-2325
ENCODE2_DIR: J10.5 U1.48 | length 1882.8
  Bottom Layer w15: U1.48@-74,-645 46.69,-765.69 cw(c-24.02,-836.4) 75.98,-836.4 75.98,-2108.6 ccw(c161.4,-2108.6) 101,-2169 cw(c40.64,-2229.36) 126,-2229.36 126,-2341.46 ; 126,-2351.05 126,-2341.46 ; J10.5@175,-2431 155.29,-2411.29 cw(c226,-2340.58) 126,-2341.46
ENCODE2_LSB: J10.2 U1.49 | length 1745.7
  Bottom Layer w15: U1.49@27.58,-645 U1.49@26,-645 146.71,-765.71 cw(c76,-836.42) 176,-836.42 176,-1939 ccw(c178.41,-1941.41) 175,-1941.41 J10.2@175,-2331
GANHUANGGUAN: J6.2 R6.2 U1.110 | length 495.5
  Bottom Layer w15: U1.110@1526,-445 1630.97,-340.03 ccw(c1560.26,-269.32) 1660.26,-269.32 R6.2@1660.26,-188 1660.26,-94.16 cw(c1760.26,-94.16) 1689.55,-23.45 J6.2@1700,-13
GND: C10.2 C11.2 C12.2 C13.2 C15.2 C16.2 C17.1 D1.2 D2.2 D3.2 D10.1 D11.C D13.1 J1.2 J2.2 J2.3 J3.2 J4.1 J6.1 J7.1 J8.1 J9.1 J10.1 J11.9 J11.11 JM.1 JP1.8 K1.B K2.A K3.A K4.A K5.A K6.A LCD1.1 Q1.3 Q2.2 R26.2 R27.1 R39.2 R41.1 SW2.5 SW2.6 SW2.7 SW2.8 U1.40 U1.43 U5.7 U5.8 U6.1 U7.3 U7.5 U7.6 U8.1 U8.2
  other v1: 69,-2259 1461,-2171 1335,-2170 215,-2135 122,-2017 1461,-1991 29,-1953 235,-1947 1336,-1908 36,-1823 1474,-1632 27,-1609 1343,-1609 122,-1534 220,-1502 36,-1467 1465,-1314 827,-1232 1623,-1129 543,-1105 1812,-1085 1940,-1026 520,-1009 1047,-955 886,-939 580,-929 209,-925 819,-912 118,-874 -201,-833 644,-831 1191,-789 2051,-783 911,-753 1083,-740 -422,-711 134,-684 1052,-670 827,-604 688,-577 1258,-567 -189,-564 2051,-512 -876,-483 -590,-480 -304,-473 1267,-472 1660,-439 -1148,-305 -1452,-276 1761,-261 2053,-212 1912,-110 -1626,-96 -1004,-5 -901,23 -223,54 -1150,90 -973,90 -702,146 -1020,157 1502,167 1653,178 -778,210 -1281,218 1782,230 828,232 1645,249 1465,251 -826,264 -1035,267 -649,270 -1890,277 -1446,386 -12,447 -1896,514 -1575,531
ICM_CS: J4.6 U1.67 | length 366.4
  Top Layer w15: J4.6@26,-1328 ccw(c26,-1282.13) 58.43,-1314.57 146.71,-1226.29 ccw(c76,-1155.58) 176,-1155.58 176,-1136.42 cw(c276,-1136.42) 205.29,-1065.71 U1.67@226,-1045
ICM_GND: 
ICM_SA0/SDO: J4.5 U1.69 | length 364.9
  Top Layer w15: J4.5@126,-1328 ccw(c126,-1289.37) 153.31,-1316.69 246.71,-1223.29 ccw(c176,-1152.58) 276,-1152.58 276,-1136.42 cw(c376,-1136.42) 305.29,-1065.71 U1.69@326,-1045
ICM_SCL/SPC: J4.3 U1.68 | length 183
  Bottom Layer w15: J4.3@326,-1328 U1.68@326,-1145
ICM_SDA/SDI: J4.4 U1.61 | length 607.1
  Top Layer w15: U1.61@26,-1045 5.29,-1065.71 ccw(c76,-1136.42) -24,-1136.42 -24,-1328.99 ccw(c34.64,-1328.99) -6.82,-1370.46 ccw(c56.42,-1293) 56.42,-1393 119.58,-1393 ccw(c119.58,-1293) 190.29,-1363.71 J4.4@226,-1328
IIC_SCL: J3.3 J7.6 U1.77 | length 1042.4
  Top Layer w15: U1.77@726,-1045 746.73,-1065.73 cw(c676.02,-1136.44) 776.02,-1136.44 776.02,-1394.56 cw(c676.02,-1394.56) 746.73,-1465.27 758.5,-1453.5
  Bottom Layer w15: J7.6@710,-468 cw(c671.37,-506.63) 726,-506.63 U1.77@726,-1045
IIC_SDA: J3.4 J7.5 U1.76 | length 1185.9
  Bottom Layer w15: J3.4@725,-1587 695.29,-1557.29 cw(c766,-1486.58) 666,-1486.58 666,-1246.42 cw(c766,-1246.42) 695.29,-1175.71 U1.76@726,-1145 746.73,-1124.27 ccw(c676.02,-1053.56) 776.02,-1053.56 776.02,-543.4 cw(c876.02,-543.4) 805.31,-472.69 J7.5@810,-468
KEY1: K2.B R33.1 U1.86 | length 1346.9
  Top Layer w15: K2.B@1709.49,-1709 ccw(c1701.01,-1700.52) 1713,-1700.52 v2(1713,-1659)
  Bottom Layer w15: U1.86@1226,-1145 1678.51,-1597.51 cw(c1590.21,-1685.82) v2@1712.21,-1659.17 ; v2@1714.5,-1660.5 R33.1@2128,-1247
KEY2: K3.B R34.1 U1.81 | length 1562.2
  Top Layer w15: v2(1706,-1391) 1706,-1449.99 ccw(c1714.49,-1449.99) K3.B@1708.49,-1456
  Bottom Layer w15: U1.81@926,-1045 946.73,-1065.73 ccw(c1017.44,-995.02) 1017.44,-1095.02 1445.6,-1095.02 cw(c1445.6,-1195.02) 1516.31,-1124.31 1676.71,-1284.71 cw(c1606,-1355.42) 1706,-1355.42 1706,-1357.42 ; v2(1706,-1391) 1706,-1357.42 ; R34.1@2125.52,-1102 1961.42,-1102 ccw(c1961.42,-1202) 1890.71,-1131.29 1735.29,-1286.71 ccw(c1806,-1357.42) 1706,-1357.42
KEY3: K4.B R35.1 U1.85 | length 1374.1
  Top Layer w15: U1.85@1126,-1045 1146.69,-1065.69 ccw(c1217.4,-994.98) 1217.4,-1094.98 1718.07,-1094.98 cw(c1718.07,-1194.98) 1788.78,-1124.27 K4.B@2213,-1548.49
  Bottom Layer w15: R35.1@2129.26,-1393 2129.26,-1448.66 ccw(c2169.34,-1448.66) v2(2141,-1477)
KEY4: K5.B R36.1 U1.78 | length 1612.9
  Top Layer w15: v2(1472,-1542) ccw(c1498.56,-1515.44) 1498.56,-1553 v2(1698,-1553)
  Bottom Layer w15: U1.78@826,-1145 996.71,-1315.71 ccw(c1067.42,-1245) 1067.42,-1345 1233.58,-1345 cw(c1233.58,-1445) 1304.29,-1374.29 v2(1472,-1542) ; v2(1698,-1553) 1709.84,-1553 ccw(c1709.84,-1453) 1780.55,-1523.71 R36.1@2128.26,-1176
KEY5: K6.B R32.1 U1.82 | length 1814.2
  Top Layer w15: v2(1686,-1891) ccw(c1771.73,-1891) 1711.11,-1951.62 K6.B@1715.49,-1956
  Bottom Layer w15: U1.82@1026,-1145 1114.71,-1233.71 ccw(c1185.42,-1163) 1185.42,-1263 1226.58,-1263 cw(c1226.58,-1363) 1297.29,-1292.29 1656.71,-1651.71 cw(c1586,-1722.42) 1686,-1722.42 1686,-1801.94 ; v2(1686,-1891) 1686,-1801.94 ; R32.1@2127.52,-1319 1715.29,-1731.23 ccw(c1786,-1801.94) 1686,-1801.94
LC1: J12.1 U4.5 | length 424.5
  Bottom Layer w15: U4.5@475,573 477.71,575.71 ccw(c407,646.42) 507,646.42 507,983.17 ccw(c500.17,983.17) J12.1@505,988
LC2: J12.3 U4.3 | length 222.4
  Bottom Layer w15: J12.3@305,988 395.71,897.29 cw(c325,826.58) 425,826.58 U4.3@425,811
LC3: J13.1 U2.5 | length 426.4
  Bottom Layer w15: U2.5@1812,566.4 1814.71,569.11 ccw(c1744,639.82) 1844,639.82 1844,965.1 ccw(c1820.1,965.1) J13.1@1837,982
LC4: J13.3 U2.3 | length 225.1
  Bottom Layer w15: J13.3@1637,982 1732.71,886.29 cw(c1662,815.58) 1762,815.58 U2.3@1762,804.4
LC5: J14.1 U3.5 | length 431.6
  Bottom Layer w15: U3.5@1148,565.4 1151.71,569.11 ccw(c1081,639.82) 1181,639.82 1181,971.51 ccw(c1160.51,971.51) J14.1@1175,986
LC6: J14.3 U3.3 | length 229.3
  Bottom Layer w15: J14.3@975,986 1068.71,892.29 cw(c998,821.58) 1098,821.58 U3.3@1098,803.4